# Allegro board LAY-38820_A.brd (continued)
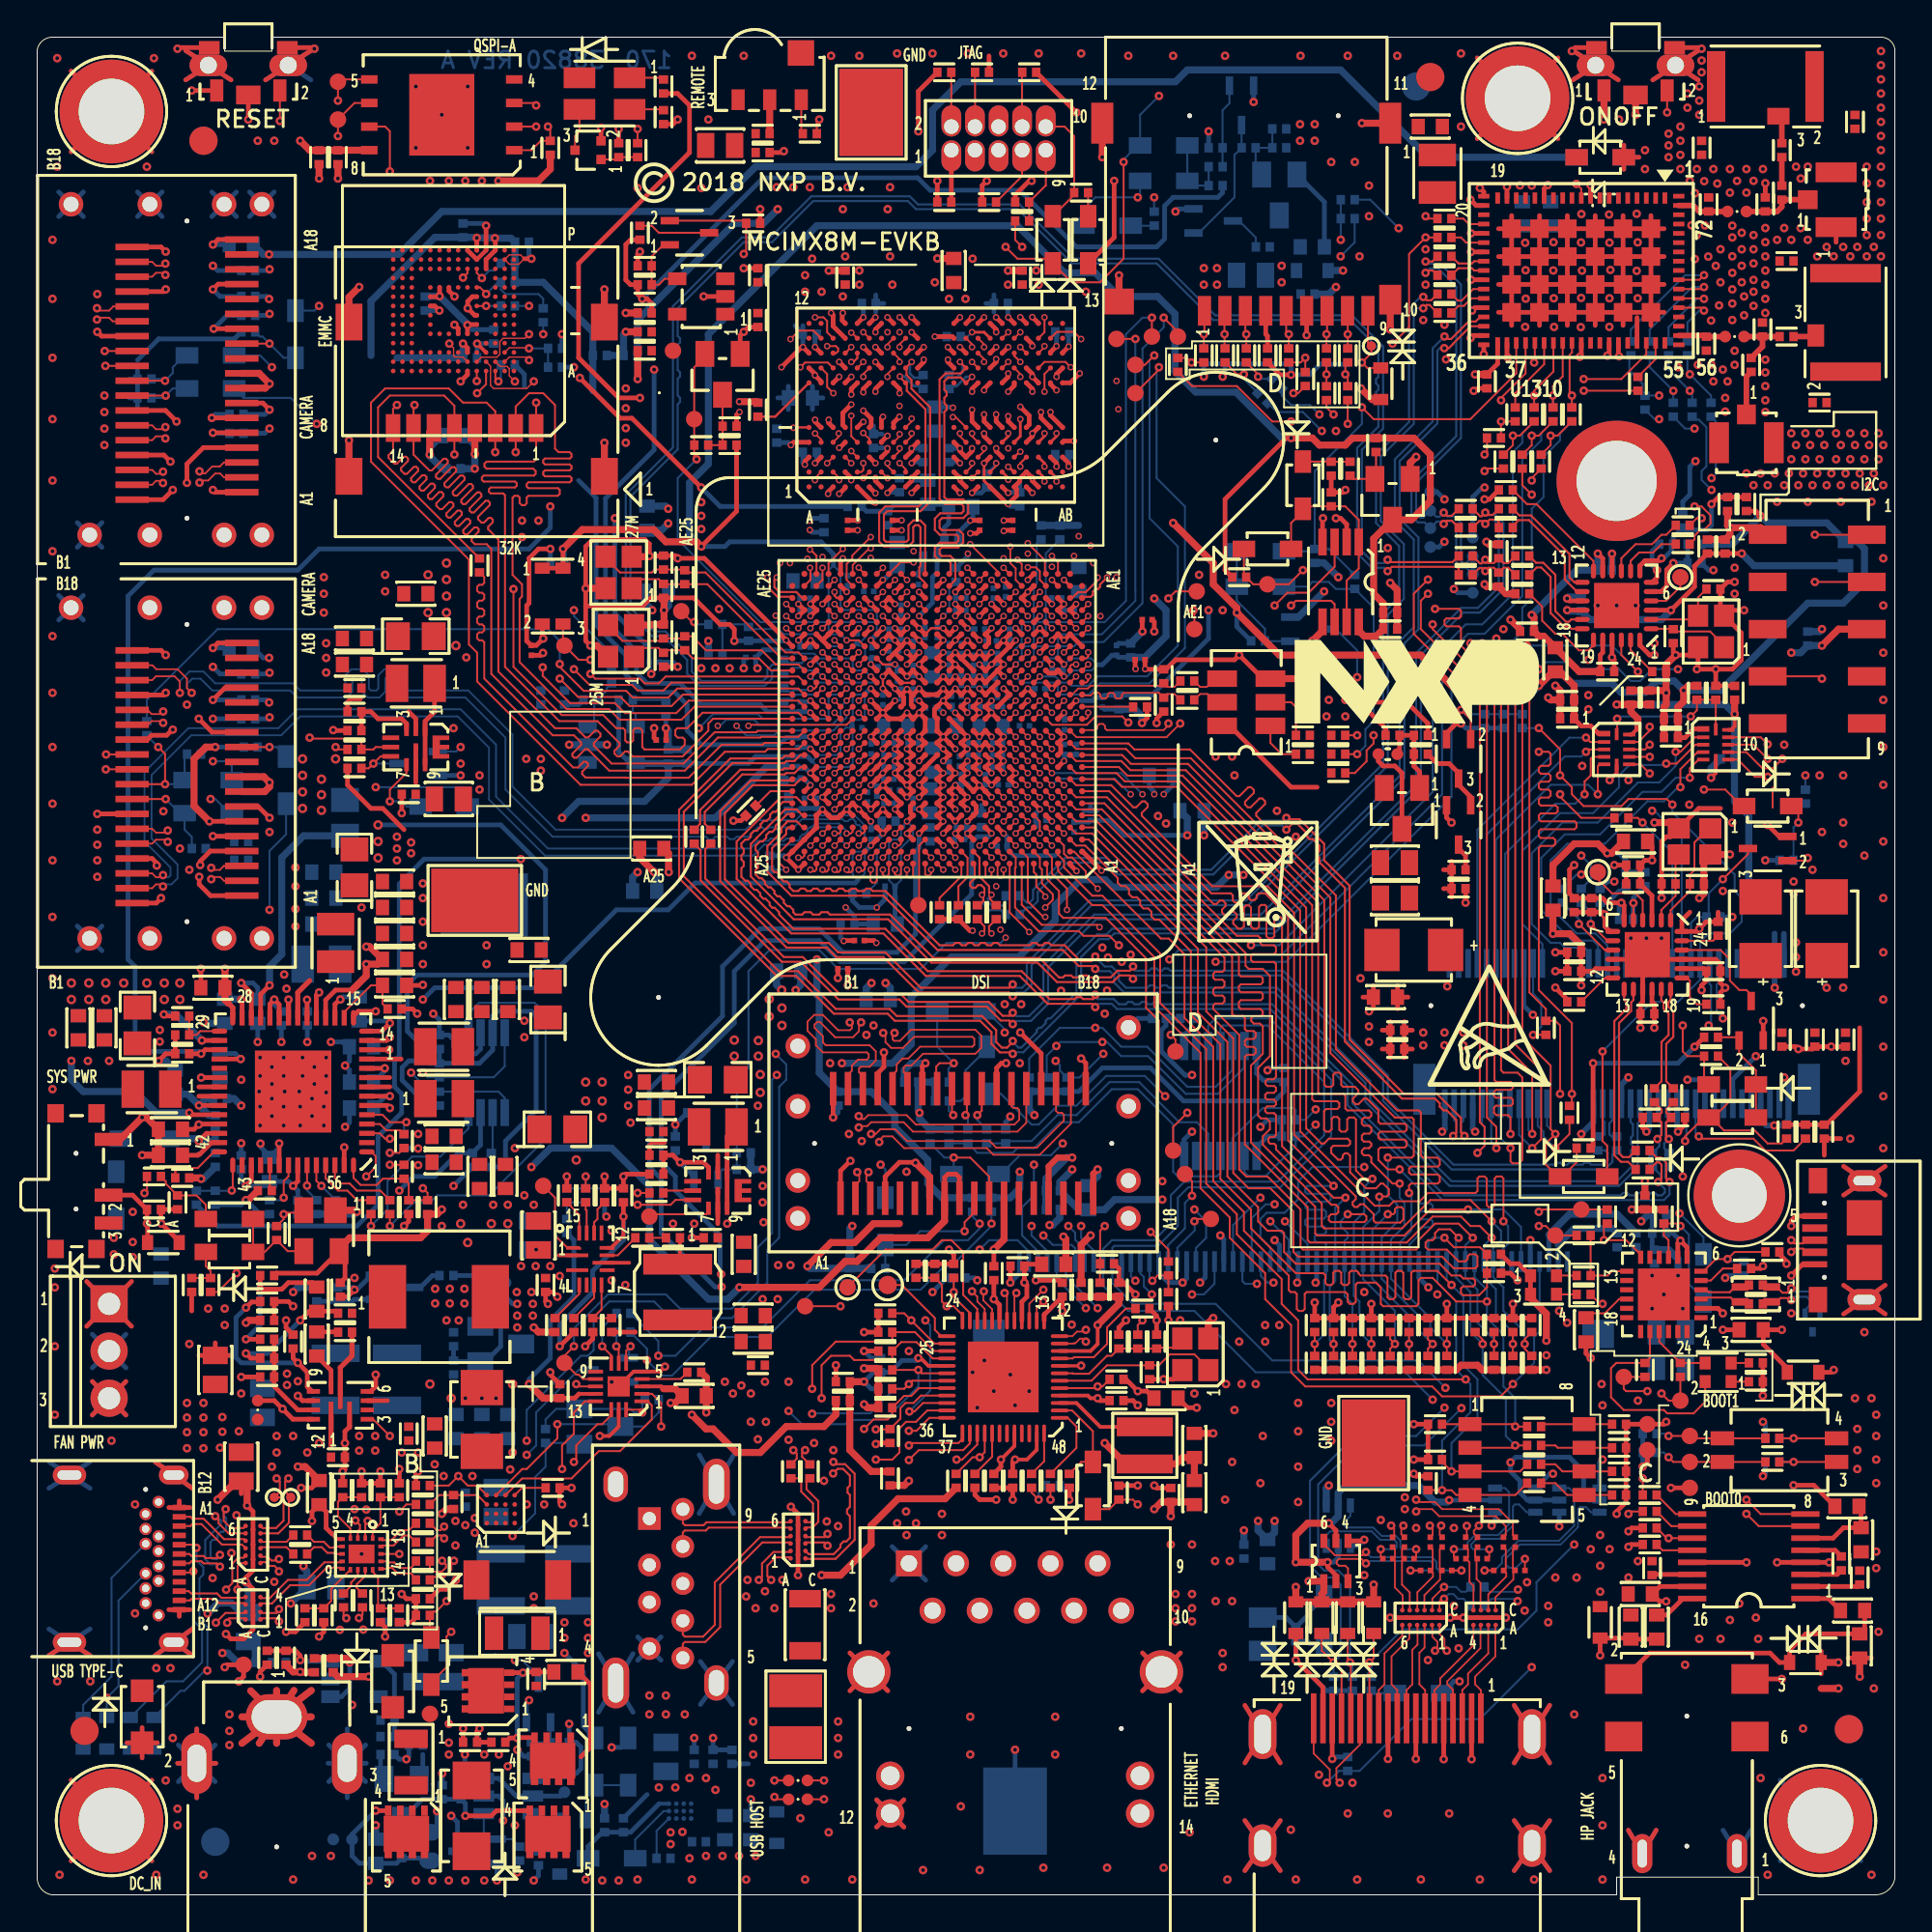
[diagram p0: board, top side]
## Routing (per net, layer and track width the routed paths; a pad name or vN(x,y) marks a point on that pad's centre or on a via; arc(x,y) is an arc through that point) (continued)
GND_CHASSIS: length 11.6
  TOP w0.254: 59.5,13.02 J1201.15 ; J1201.15 59.5,10.98 ; J1201.15 61.54,13.02 ; J1201.15 61.54,10.98 ; 43.75,10.98 J1201.16 ; J1201.16 43.75,13.02 ; J1201.16 45.79,13.02 ; J1201.16 45.79,10.98
VBUS_CP210X: length 10.6
  TOP w0.254: U1701.8 88.32,35.08 v1(88.45,35.22) 88.82,34.86 U1701.7 ; L1702.2 v1(90.74,30.42)
  L6_INT_2 w0.254: v1(88.45,35.22) 89.09,34.58 89.09,32.07 v1(90.74,30.42)
  BOTTOM w0.254: v1(88.45,35.22) 88.05,35.62 C1704.1 C1701.1
VBUS_USB_BDG: length 9.5
  TOP w0.254: TVS1701.2 94.21,28.34 92.91,29.64 L1702.1 v1(93.92,30.42) ; v1(94.42,33.34) 95.03,33.94 J1701.1
  L8_INT_3 w0.254: v1(94.42,33.34) 94.8,33.34 95.06,33.08 95.06,31.05 94.42,30.42 v1(93.92,30.42)
VCC: length 2.8
  TOP w0.254: J401.1 49.21,91.13 R405.2
VCC_3V6: length 10.1
  TOP w0.254: R706.1 11.98,31.91 11.54,31.91 v1(11.24,31.61) ; U701.9 14.79,27.1 14.54,27.36 14.54,28.13 v1(14.03,28.64) 13.78,28.89 C711.1
  BOTTOM w0.254: v1(11.24,31.61) 10.71,31.08 10.71,28.92 10.98,28.64 v1(14.03,28.64)
VCC_5V: length 12.4
  TOP w0.203: U706.11 30.9,34.83 31.56,35.49 v1(31.56,36.51)
  TOP w0.254: v1(31.56,36.51) C774.2 ; v1(28.13,29.53) 28.89,30.29 R732.1
  BOTTOM w0.254: v1(31.56,36.51) 31.56,35.24 29.91,33.59 29.91,32.45 28.13,30.67 v1(28.13,29.53)
VDD_12V: length 132.1
  TOP w0.254: J1501.A8 48.85,38.62 49.03,38.8 49.47,38.8 49.65,38.62 J1501.A9
  TOP w0.381: J1502.A8 12.27,81.1 v1(12.51,81.34) 11.95,81.91 J1502.A9 ; J1503.A8 12.25,59.39 12.51,59.64 v1(12.51,59.88) 12.2,60.19 J1503.A9 ; J1501.A8 48.85,36.27 47.94,35.37 45.4,35.37 44.13,34.1 43.5,34.1 42.1,32.7 v1(37.81,32.7)
  L8_INT_3 w0.381: 6.41,60.5 4,62.91 4,75.5 2.6,76.9 2.6,86.55 2.98,86.93 4.25,86.93 9.08,82.1 11.75,82.1 v1(12.51,81.34) ; 6.41,60.5 8.08,60.5 8.7,59.88 v1(12.51,59.88) ; 6.41,60.5 4.94,59.03 4.94,50.35 5.27,50.02 5.27,43.37 6.54,42.1 6.54,40.58 7.94,39.18 9.08,39.18 9.46,38.8 9.46,38.04 11.62,35.88 14.29,35.88 16.32,37.91 17.97,37.91 18.71,38.65 20.74,38.65 21.02,38.92 26.35,38.92 v1(26.61,39.18)
  BOTTOM w0.381: v1(26.61,39.18) 27.62,40.19 30.92,40.19 32.96,38.16 32.96,35.24 36.13,32.07 37.17,32.07 v1(37.81,32.7)
VDD_ARM_0V9: length 13.6
  TOP w0.254: v2(46.83,59.73) U101.H15 v2(46.83,60.38) U101.J15 v2(46.83,61.03) U101.K15 v2(46.83,61.68) U101.L15 v2(46.83,62.33) U101.M15 ; v2(46.83,59.73) U101.H16 v2(46.18,60.38) U101.J16 v2(46.18,61.03) U101.K16 v2(46.18,61.68) U101.L16 v2(46.18,62.33) U101.M16 ; v2(46.83,59.73) U101.G15 47.15,59.41 v2(46.83,59.08) U101.G16 ; v2(47.48,59.08) 47.8,59.41 U101.G14 v2(47.48,59.73) U101.H14 ; C121.1 45.05,51.37 v2(45.17,51.24) ; C122.1 v1(43.64,48.96)
  BOTTOM w0.381: C166.1 45.92,48.83 v1(45.67,49.08)
  vias: v3(37.53,46.01) v3(37.53,45.15) v3(38.82,45.99) v3(38.82,45.15) v3(38.92,44.16) v3(38.92,43.19)
VDD_DRAM_0V9: length 17.5
  TOP w0.254: U101.V11 v2(50.07,66.88) U101.V10 v2(50.72,66.88) U101.V9 v2(51.37,66.88) ; U101.V11 v2(49.42,66.88) U101.V12 v2(49.42,66.23) ; U101.V11 U101.U10 ; U101.V15 v2(46.83,66.23) ; U101.V15 v2(46.83,66.88) ; U101.V15 v2(47.48,66.88) ; v1(33.21,62.8) 33.21,62.28 C33.1 ; U101.Y10 v2(50.72,67.53) ; U101.Y6 52.68,68.18 v2(52.67,68.18) ; U101.U13 v2(48.77,66.23) U101.V13 v2(48.77,66.88) ; C138.1 27.1,66.73 v1(27.23,66.85) ; U101.Y8 v2(52.02,68.18) ; v2(59.13,65.99) 59.11,66.01 C137.1 ; U101.Y20 44.22,68.18 v2(44.23,68.18) ; v2(46.83,68.18) U101.Y16 v2(46.18,68.18) ; U101.U14 v2(47.48,66.23) U101.V14 ; C117.1 60.13,68.53 v1(60.13,68.01) ; U101.Y18 45.52,68.18 v2(45.53,68.18) ; U101.U11 v2(49.42,66.23) ; v2(49.42,66.23) U101.U12
  TOP w0.381: v1(34,55.05) 33.99,55.06 33.99,56.07 C17.1
  BOTTOM w0.381: C171.1 32.05,54.79 v1(32.32,55.05)
  vias: v3(4.66,49.08) v3(5.9,49.08) v3(6.84,49.08) v3(6.84,48.2) v3(7.68,49.08) v3(7.68,48.2)
VDD_GPU_0V9: length 8.1
  TOP w0.254: U101.L10 v2(50.72,61.68) U101.L9 v2(51.37,61.68) ; v2(51.37,62.33) U101.M9 v2(50.72,62.33) U101.M10 ; v2(50.72,60.38) U101.J10 v2(50.72,61.03) U101.K10 ; U101.K9 v2(51.37,61.03) U101.J9 v2(51.37,60.38)
  BOTTOM w0.254: C170.1 61.16,59.77 v2(60.64,59.24)
  BOTTOM w0.381: C169.1 v1(62.82,57.04)
  vias: v3(29.02,39.56) v3(29.53,43.75) v3(29.53,42.73) v3(30.42,43.75) v3(30.42,42.73) v3(30.42,41.85)
VDD_PHY_0V9: length 127.4
  TOP w0.254: U101.E18 v2(45.53,58.43) U101.E17 ; U101.F18 v2(44.88,58.43) U101.F19 ; U101.F22 v2(42.28,59.08) U101.G22 ; U101.C11 49.75,56.81 v2(49.42,57.13) 49.43,57.13 U101.D11 ; U101.E12 v2(49.42,57.78) U101.E11 ; U101.D12 v2(48.77,57.13) ; U101.U4 54.45,65.76 54.8,65.76 U101.U3 v2(55.27,65.58) ; U101.F17 v2(45.53,59.08) ; 16.95,48.7 16.06,48.7 15.53,48.17 U702.18 ; U101.C12 v2(49.42,56.48) ; U101.G23 41.95,59.41 v2(41.63,59.08) U101.F23 ; U101.V3 v2(55.27,66.23)
  TOP w0.381: v1(17.72,51.04) 17.9,51.04 C749.1 18.34,50.1 v1(17.72,50.1) 17.72,49.47 16.95,48.7
  L6_INT_2 w0.381: v1(17.72,50.1) v1(17.72,51.04) 18.1,51.42 18.1,53.78 16.7,55.18 16.7,59.63 15.3,61.02 15.3,62.93 17.08,64.71 18.99,64.71 25.97,71.69 28.38,71.69 29.53,72.83 29.53,79.82 34.99,85.28 34.99,86.3 37.65,88.96 50.48,88.96 51.37,88.07 55.56,88.07 57.47,86.17 57.47,82.87 59.37,80.96 64.83,80.96 66.23,79.56 66.23,75.88 v1(60.13,69.79)
  BOTTOM w0.102: v2(55.27,65.58) 55.45,65.58 55.77,65.91 56.76,65.91 57.07,66.22 56.73,66.56 55.64,66.56 55.31,66.23 v2(55.27,66.23)
  BOTTOM w0.254: 57.07,66.22 57.34,66.22 57.85,66.73 C185.1 58.21,66.62 C10.1 ; v2(55.27,66.23) 55.22,66.18 C186.1 55.22,65.64 v2(55.27,65.58) ; L101.2 C12.1 44,52.67 v2(43.52,53.15)
  BOTTOM w0.381: v1(60.13,69.79) 60.77,69.15 60.77,67.75 59.63,66.62 C10.1
VDD_PHY_1V8: length 283.4
  TOP w0.254: U101.D17 v2(45.53,57.13) U101.D18 ; Q1001.5 69.91,19.62 v1(69.53,20) ; v1(69.47,17.91) 69.47,17.65 69.91,17.21 Q1001.2 ; U702.26 11.53,48.54 v1(10.98,49.08) ; U101.C18 v2(44.88,56.48) ; U101.P2 v2(55.92,64.28)
  TOP w0.381: v1(69.53,20) 68.39,20 67.75,19.37 v1(67.75,17.91) v1(69.47,17.91)
  L6_INT_2 w0.381: v1(63.05,69.15) 63.05,70.42 66.92,74.28 66.92,81.55 65.34,83.12 61.78,83.12 61.28,82.61 61.28,82.1 60.77,81.6 59.63,81.6 58.1,83.12 58.1,86.42 54.93,89.6 36.89,89.6 33.46,86.17 33.46,84.9 28.76,80.2 28.76,74.48 26.66,72.38 21.07,72.38 20,71.31 20,68.52 13.52,62.04 13.52,56.45 13.27,56.2 13.27,51.12 12.44,50.29 11.68,50.29 10.98,49.59 v1(10.98,49.08) 10.25,49.08 8.27,47.1 8.27,44.21 7.56,43.5 7.56,38.16 8.32,37.4 8.32,34.23 9.71,32.83 11.24,32.83 11.62,33.21 14.16,33.21 19.24,28.13 26.73,28.13 27.37,27.49 28.13,27.49 28.76,26.86 30.87,26.86 33.13,24.6 37.25,24.6 38.42,23.43 39.81,23.43 41.85,21.4 48.96,21.4 50.35,20 57.59,20 60.27,17.33 67.18,17.33 v1(67.75,17.91) ; v1(76.01,21.25) 77.28,21.25 v1(79.31,23.28)
  L8_INT_3 w0.381: v1(10.98,49.08) 12.13,50.23 15.68,50.23 16.83,49.08 19.11,49.08 20,48.2 v1(20.76,48.2)
  BOTTOM w0.102: 44.55,56.16 44.07,56.16 43.9,55.99 43.9,54.91 44.19,54.62 44.55,54.98 44.55,56.16
  BOTTOM w0.254: Q1002.2 70.04,18.16 69.79,17.91 v1(69.47,17.91) ; Q1004.2 v1(76.01,21.25) ; Q1003.5 83.53,21.25 83.25,21.53 83.25,22.8 82.49,23.56 79.59,23.56 v1(79.31,23.28) 79.31,22.8 79.82,22.29 79.82,21.65 80.23,21.25 Q1004.5 Q1003.2 ; v1(63.05,69.15) 63.05,67.63 60.01,64.58 58.24,64.58 C9.1 57.45,64.57 C184.1 56.97,64.46 56.79,64.28 v2(55.92,64.28) ; v1(20.76,48.2) 21.4,48.83 26.99,48.83 31.18,53.02 33.97,53.02 35.42,54.47 44.04,54.47 44.19,54.62 ; C11.1 45.54,57.72 45.54,57.14 v2(45.53,57.13) 45.21,56.82 C187.1 44.89,56.5 v2(44.88,56.48) 44.55,56.16 ; C751.1 11.87,48.83 11.62,49.08 v1(10.98,49.08)
  BOTTOM w0.381: v1(76.01,21.25) 75.91,21.14 75.25,21.14 74.36,22.03 70.42,22.03 70.04,21.65 Q1002.5 70.04,20.38 69.66,20 v1(69.53,20)
VDD_PHY_3V3: length 107.5
  TOP w0.254: U101.H23 v2(41.63,60.38) U101.J23 ; C757.1 8.44,41.21 v1(8.7,41.46) 8.83,41.46 8.85,41.49 U702.39 ; v2(49.42,58.43) U101.F12 v2(49.43,59.08) U101.G12 v2(49.42,59.73) U101.G11 v2(50.08,59.08) U101.F11 v2(50.07,58.43)
  L6_INT_2 w0.381: v1(26.22,47.05) 26.22,54.67 v1(29.53,57.97)
  L8_INT_3 w0.381: v1(8.7,41.46) 9.71,42.48 9.71,45.66 11.49,47.43 16.7,47.43 17.59,48.32 18.6,48.32 20.13,46.8 22.92,46.8 23.18,47.05 v1(26.22,47.05) 28.51,44.77 32.32,44.77 35.24,41.85 39.05,41.85 39.81,42.61 39.81,43.12 40.45,43.75 42.66,43.75 43.32,44.41 v1(43.32,44.77)
  BOTTOM w0.254: 56.35,58.37 C8.1 ; C8.1 56.7,58.73 ; C8.1 57.06,58.37 ; 50.84,58.66 C4.1 50.38,58.22 ; 49.75,59.44 C178.1 ; C178.1 50.11,59.79 ; C178.1 49.48,59.79 v2(49.42,59.73) ; C6.1 40.98,60.76 C181.1 41.35,60.65 v2(41.63,60.38)
  BOTTOM w0.381: v1(29.53,57.97) 36.51,57.97 39.3,60.76 C6.1 ; v1(43.32,44.77) 46.04,44.77 47.05,45.78 47.05,48.32 49.21,50.48 52.84,50.48 54.8,52.44 54.8,53.28 56.17,54.65 57.49,54.65 57.9,54.24 63.49,54.24 v1(64.15,54.9) v1(64.93,54.9)
  vias: v1(60.34,58.08) v1(60.77,57.67)
VDD_SNVS_0V9: length 73.1
  TOP w0.254: U101.R18 v2(44.88,64.93)
  L6_INT_2 w0.254: v1(28.26,57.97) v1(26.03,55.75)
  BOTTOM w0.102: 44.55,64.58 44.52,64.61 44,64.61 43.9,64.5 43.9,63.25 44.3,63.25 44.55,63.5 44.55,64.58 ; 43.69,60.71 43.69,60.71 42.03,60.71 41.72,61.02 42.06,61.36 43.06,61.36 43.25,61.55 43.25,62.55 43.52,62.83 C102.1 43.9,62.79 43.9,60.9 43.71,60.71 43.69,60.71
  BOTTOM w0.254: C718.1 38.3,60.9 38.67,61.28 41.46,61.28 41.72,61.02 ; v2(44.88,64.93) 44.85,64.93 44.52,64.61 ; R758.2 31.31,61.52 31.88,60.96 U703.5 ; C102.1 43.87,63.21 43.9,63.25 ; v1(26.03,55.75) 20.83,55.75 19.49,54.42 19.49,45.15 19.24,44.89 19.24,43.5 19.62,43.12 19.62,42.1 18.35,40.83 18.35,37.15 17.21,36 9.71,36 8.57,37.15 R757.2
  BOTTOM w0.381: C717.1 33.97,60.13 32.7,58.86 29.15,58.86 v1(28.26,57.97) ; C717.1 32.28,60.9 U703.5 ; C717.1 C718.1
VDD_SOC_0V9: length 18
  TOP w0.254: U101.R10 v2(50.07,64.93) U101.R11 v2(49.42,64.93) U101.R12 ; 51.37,64.93 U101.R9 v2(50.72,64.93) ; 51.37,64.93 U101.R8 ; 51.37,64.93 U101.T8 ; U101.R15 v2(47.48,64.93) U101.R14 U101.R13 v2(48.77,64.93) U101.R12 ; U101.R15 47.12,64.61 v2(46.83,64.91) 46.53,64.61 U101.R16 ; U101.R15 47.05,64.51 47.05,64.06 U101.P15 ; v2(49.42,61.68) U101.L12 v2(48.77,62.33) ; U101.R16 v2(46.18,64.93) U101.T17 ; U101.R16 46.65,64.46 46.65,64.1 U101.P16 ; U101.M12 v2(48.77,62.33) ; v2(48.77,62.33) U101.M13 U101.N13 48.3,63.45 48.3,63.81 U101.P13 v2(48.77,64.28) ; v2(48.77,62.33) U101.L13 v2(48.77,61.68) U101.K12 v2(48.77,61.03) ; U101.R12 v2(48.77,64.28) ; v2(48.77,64.28) U101.P12
  BOTTOM w0.254: v2(48.77,63.63) 48.52,63.89 C145.1 ; v2(48.77,61.03) 48.83,60.98 C144.1
  BOTTOM w0.381: v1(33.11,69.15) 32.69,69.57 C173.1
  vias: v3(21.04,71.06) v3(21.04,69.02) v3(22.03,71.69) v3(22.03,70.8) v3(22.03,69.91) v3(22.03,69.02) v3(22.54,67.25)
VDD_VPU_0V9: length 5
  TOP w0.254: v2(51.38,64.28) U101.P9 v2(51.37,63.63) ; U101.N10 v2(50.72,63.63) U101.P10 v2(50.73,64.28) ; U101.N8 v2(51.37,63.63) ; v2(51.37,63.63) U101.N9
  BOTTOM w0.254: C15.1 49.48,62.39 v2(49.42,62.33)
  BOTTOM w0.381: v3(40.08,48.7) 39.8,48.98 C168.1
  vias: v3(39.41,48.22) v3(39.41,47.28) v3(40.09,47.74) v3(40.09,46.8)
VDDA_1V8: length 58.7
  TOP w0.127: U101.T15 47.14,65.25 46.51,65.25 U101.T16 ; v2(45.52,64.93) 45.53,64.93 v2(45.53,65.58)
  TOP w0.254: U101.N11 v2(49.42,63.63) ; U101.K14 47.8,61.36 v2(47.48,61.03) ; U101.R17 v2(45.52,64.93) ; U101.AA11 v2(50.08,68.18) ; U101.U23 v2(41.63,65.58) ; U101.W23 v2(41.62,67.53) U101.W24 ; v2(45.53,65.58) U101.U17 U101.T16 ; U101.W17 v2(45.53,66.88)
  TOP w0.279: 10.29,48.01 10.53,47.76 U702.28
  TOP w0.381: 10.29,48.01 10.11,48.18 C754.1 v1(10.11,49.85)
  L6_INT_2 w0.381: 8.7,48.95 8.7,48.36 7.56,47.22 7.56,44.39 6.79,43.62 6.79,37.27 7.43,36.64 7.43,34.23 9.44,32.22 11.47,32.22 11.75,31.94 12.76,31.94 13.27,32.45 v1(13.78,32.45)
  L8_INT_3 w0.254: v1(33.06,65.72) 33.69,65.09 40.58,65.09 41.07,65.58 v2(41.63,65.58)
  BOTTOM w0.102: v2(41.63,65.58) 41.95,65.26 45.23,65.26
  BOTTOM w0.254: v2(41.62,67.53) 41.6,67.51 C147.1 ; C150.1 45.61,66.97 v2(45.53,66.88) ; v2(49.42,63.63) 49.25,63.81 C151.1 ; C148.1 50.12,68.13 v2(50.08,68.18) ; v1(31.1,74.1) 31.1,68.97 32.94,67.13 C152.1 32.94,65.84 v1(33.06,65.72)
  BOTTOM w0.381: v1(13.78,32.45) 14.03,32.7 R715.1 ; v1(33.97,73.82) 33.6,73.45 C174.1
  vias: v1(26.1,73.98) v1(26.1,73.09) v1(26.99,73.98) v1(35.75,74.97) v1(35.75,74.23) v1(35.75,73.52)
ANT0: length 2.5
  TOP w0.305: R1348.1 90.86,83.88 L1302.1 89.79,83.94 U1301.57
ANT0_OUT: length 3.3
  TOP w0.305: L1303.1 92.88,83.88 R1306.1 ; L1303.1 92.87,83.88 R1348.2 ; L1303.1 92.87,83.34 R1302.1
ANT1: length 2.8
  TOP w0.305: U1301.71 89.15,90.94 89.46,90.62 L1304.1 89.99,90.61 R1349.1
ANT1_OUT: length 3.8
  TOP w0.305: J1302.1 95.31,91.26 R1304.1 93.92,90.87 93.66,90.61 93.03,90.61 L1305.1 93.02,90.61 R1349.2
AUD_NMUTE: length 85.3
  TOP w0.107: U1101.11 v1(87.82,19.2) 87.73,19.2 R1108.1 ; U101.N7 v2(52.67,63.63)
  L8_INT_3 w0.076: v2(52.67,63.63) 53.22,63.09 55.91,63.09 56.45,62.55 58.23,62.55 59.02,61.76 65.75,61.76 70.42,57.09 70.42,38.8 71.41,37.81 71.41,35.34 70.93,34.86 70.93,31.43 71.31,31.05 71.31,20.38 73.21,18.48 73.21,16.45 75.25,14.41 76.64,14.41 79.31,11.75 81.09,11.75 87.82,18.48 v1(87.82,19.2)
BOOT_MODE0: length 83.7
  TOP w0.107: U802.3 69.84,71.49 68.44,70.1 67.3,70.1 v1(66.61,69.4) ; R818.1 SW802.2 TP1710.1 88.07,23.3 v1(87.82,23.56) ; U101.W6 53.32,67.53 v2(53.33,67.53)
  L6_INT_2 w0.076: v2(53.33,67.53) 53.65,67.21 56.87,67.21 57.16,67.5 61.91,67.5 62.93,68.52 65.72,68.52 v1(66.61,69.4)
  L8_INT_3 w0.076: v1(87.82,23.56) 85.28,26.1 85.28,29.91 85.53,30.16 85.53,36 85.03,36.51 85.03,43.37 84.77,43.62 84.77,45.53 83.63,46.67 83.63,50.99 82.17,52.45 82.17,54.61 79.31,57.47 79.31,59.75 76.21,62.85 76.21,64.12 72.07,68.26 69.83,68.26 69.19,68.9 67.12,68.9 v1(66.61,69.4)
  BOTTOM w0.107: R846.1 87.57,23.81 v1(87.82,23.56)
BOOT_MODE1: length 81.9
  TOP w0.107: U101.V6 v2(53.32,66.88) ; v1(87.82,24.7) TP1711.1 89.09,24.57 SW802.1 R817.1 ; v1(67.5,69.4) 67.75,69.66 69.66,69.66 69.84,69.48 U802.6
  L6_INT_2 w0.076: v2(53.32,66.88) 53.65,66.56 57.04,66.56 57.54,67.07 62.55,67.07 63.49,68.01 66.1,68.01 v1(67.5,69.4)
  L8_INT_3 w0.076: v1(87.82,24.7) 87.31,24.7 85.66,26.35 85.66,29.65 85.89,29.88 85.89,36.16 85.41,36.64 85.41,43.62 85.15,43.88 85.15,45.66 84.26,46.54 84.26,52.26 83.12,53.4 83.12,54.29 79.82,57.59 79.82,59.88 77.41,62.29 77.41,64.45 76.77,65.09 75.75,65.09 72.2,68.64 70.04,68.64 69.28,69.4 v1(67.5,69.4)
  BOTTOM w0.107: v1(87.82,24.7) 87.69,24.83 R845.2
BT_DEV_WAKE: length 133.5
  TOP w0.089: v1(78.55,67.63) 78.93,67.25 79.44,67.25 80.33,66.36
  TOP w0.107: U1301.53 86.62,82.94 85.28,81.6 v1(83.25,81.6) ; U101.G21 v2(42.93,59.08) ; v1(81.98,43.12) 81.98,46.8 81.73,47.05 R1441.2 81.22,47.69 80.33,48.58 80.33,66.36
  L6_INT_2 w0.076: v1(83.25,81.6) 82.49,81.6 82.1,81.22 82.1,80.33 81.72,79.95 78.55,79.95 76.77,78.17 76.77,69.4 v1(78.55,67.63) ; v1(81.93,31.43) 80.45,31.43 77.53,34.35 71.94,34.35 66.1,40.19 61.78,40.19 61.15,40.83 59.16,40.83 58.27,41.72 56.2,41.72 55.43,40.96 52.51,40.96 50.74,39.18 48.2,39.18 47.43,38.42 46.42,38.42 45.91,38.92 45.91,41.34 44.13,43.12 42.99,43.12 41.85,44.26 40.58,44.26 40.19,44.64 39.71,44.64 39.31,45.05 39.31,46.16 38.54,46.93 38.54,55.18 41.13,57.77 42.79,57.77 43.25,58.24 43.25,58.76 v2(42.93,59.08)
  L8_INT_3 w0.076: v1(81.93,31.43) 81.93,32.4 82.87,33.34 82.87,38.29 82.23,38.92 82.23,42.86 v1(81.98,43.12)
BT_HOST_WAKE: length 161.9
  TOP w0.107: R1321.1 v1(83.25,80.97) ; U101.M20 v2(43.58,62.33)
  L6_INT_2 w0.076: v1(78.93,68.13) 77.28,69.79 77.28,77.53 78.04,78.29 78.42,78.29 79.69,79.56 82.23,79.56 83.25,80.59 v1(83.25,80.97) ; v1(86.17,26.61) 86.17,26.99 82.87,30.29 78.04,30.29 75.12,33.21 70.42,33.21 69.66,32.45 65.34,32.45 63.31,30.42 57.97,30.42 57.26,31.13 55.51,31.13 54.8,30.42 49.34,30.42 47.18,32.57 39.64,32.57 36.26,35.95 36.26,40.32 29.91,46.67 29.91,50.48 32.78,53.35 32.78,56.15 39.18,62.55 40.83,62.55 41.17,62.88 43.29,62.88 43.58,62.6 v2(43.58,62.33)
  L8_INT_3 w0.076: v1(78.93,68.13) 79.56,67.5 79.56,67.12 79.95,66.74 79.95,63.05 81.34,61.66 81.34,61.02 80.83,60.51 80.83,58.86 83.63,56.07 83.63,54.29 84.9,53.02 84.9,46.54 86.17,45.27 86.17,43.37 85.79,42.99 85.79,38.04 86.93,36.89 86.93,35.88 86.42,35.37 86.42,29.65 86.17,29.4 v1(86.17,26.61)
BT_REG_ON: length 67.8
  TOP w0.107: Q1405.2 95.17,55.67 v1(95.31,55.82) ; U1301.10 83.12,91.84 v1(82.86,92.1)
  L6_INT_2 w0.076: v1(73.29,89.72) 75,89.72 75.88,88.84 75.88,87.23 79.61,83.5 82.92,83.5 84.33,82.09 84.33,80.27 81.47,77.41 81.47,73.09 84.52,70.04 84.52,67.88 85.28,67.12 85.28,65.34 85.91,64.71 85.91,60.26 v1(85.66,60.01)
  L8_INT_3 w0.076: v1(82.86,92.1) 82.45,92.51 75.79,92.51 73.29,90.01 v1(73.29,89.72) ; v1(85.66,60.01) 86.42,59.24 86.68,59.24 89.09,56.83 94.3,56.83 v1(95.31,55.82)
  BOTTOM w0.107: R309.2 71.76,91.25 v1(73.29,89.72)
CC1: length 42.5
  TOP w0.107: U907.13 29.49,26.57 28.89,25.97 28.89,24.83 28.26,24.19 v1(28.26,22.92) ; J901.A5 8.4,18.85 v1(8.57,18.68)
  L8_INT_3 w0.076: v1(9.16,12.07) 9.16,11.97 9.39,11.75 10.35,11.75 10.86,12.25 13.14,12.25 13.83,11.57 16.9,11.57 17.84,12.51 20.1,12.51 21.14,13.56 21.14,14.01 27.75,20.62 27.75,22.41 v1(28.26,22.92)
  BOTTOM w0.107: TVS902.2 7.72,10.98 7.94,10.98 9.02,12.07 v1(9.16,12.07) 9.16,14.41 8.74,14.84 8.74,17.04 8.94,17.25 8.94,17.64 8.57,18.01 v1(8.57,18.68)
CC2: length 44.7
  TOP w0.107: v1(28.89,23.3) 29.02,23.43 29.02,24.19 30.16,25.34 30.42,25.34 30.9,25.82 U907.14
  L8_INT_3 w0.076: v1(3.75,10.6) 10.86,10.6 11.49,11.24 19.37,11.24 21.65,13.52 21.65,14.12 28.05,20.51 28.35,20.51 29.18,21.35 29.18,23.01 v1(28.89,23.3)
  BOTTOM w0.107: TVS903.2 v1(3.75,10.6) 4.38,11.24 4.38,15.84 J901.B5
CLK1_N: length 2.1
  TOP w0.114: v2(41.63,64.93) 41.84,64.93 41.95,65.05 U101.T23
  BOTTOM w0.107: 41.56,64.86 v2(41.63,64.93)
  BOTTOM w0.114: R413.1 40.37,64.78 40.67,64.78 40.75,64.86 41.55,64.86 41.56,64.86
CLK1_P: length 2.8
  TOP w0.114: U101.R23 v2(42.27,64.93)
  BOTTOM w0.102: 41.85,64.61 41.34,64.61
  BOTTOM w0.114: 41.85,64.61 U101.R23 v2(42.27,64.93) ; R413.2 40.37,64.38 40.63,64.38 40.86,64.61 41.34,64.61
CLK2_N: length 92.9
  TOP w0.107: U101.U22 v2(42.28,66.23)
  TOP w0.114: C1314.1 76.52,71.37 76.41,71.49 72.92,71.49 v1(72.7,71.26)
  BOTTOM w0.102: v2(42.28,66.23) 42.1,66.23 41.77,66.56 41.41,66.56
  BOTTOM w0.114: 41.41,66.56 41.16,66.31 40.37,66.31 R414.1 40.06,66.48 39.81,66.23 39.58,66.23 39.31,65.95 39.31,65.57 39.07,65.34 35.75,65.34 35.24,65.85 35.24,66.59 33.82,68.01 33.21,68.01 31.94,69.28 31.94,75.27 34.48,77.81 34.48,80.24 34.61,80.37 34.61,80.58 34.48,80.71 34.48,81.61 34.61,81.74 34.61,81.96 34.48,82.08 34.48,83.44 34.61,83.57 34.61,83.78 34.48,83.91 34.48,85.41 38.04,88.96 39.56,88.96 41.78,91.18 46.87,91.18 47.31,90.74 52.79,90.74 55.71,87.82 60.26,87.82 63.31,84.77 70.67,84.77 72.2,83.25 72.2,82.4 72.07,82.27 72.07,82.06 72.2,81.93 72.2,81.71 72.07,81.59 72.07,81.37 72.2,81.24 72.2,81.03 72.07,80.9 72.07,80.68 72.2,80.56 72.2,79.04 71.06,77.89 71.06,72.22 71.84,71.44 72.52,71.44 v1(72.7,71.26)
CLK2_P: length 92.9
  TOP w0.107: U101.T22 v2(42.28,65.58)
  TOP w0.114: C1313.1 76.19,71.74 72.82,71.74 v1(72.7,71.87)
  BOTTOM w0.102: v2(42.28,65.58) 41.95,65.91 41.41,65.91
  BOTTOM w0.114: 41.41,65.91 41.26,66.05 40.65,66.05 40.5,65.9 40.37,65.9 R414.2 40.09,65.73 39.84,65.98 39.69,65.98 39.56,65.85 39.56,65.47 39.18,65.09 35.64,65.09 34.99,65.74 34.99,66.48 33.72,67.75 33.1,67.75 31.69,69.17 31.69,75.37 34.23,77.91 34.23,85.51 37.93,89.22 39.45,89.22 41.67,91.43 46.97,91.43 47.41,90.99 52.89,90.99 55.82,88.07 60.37,88.07 63.41,85.03 70.78,85.03 72.45,83.35 72.45,78.93 71.31,77.79 71.31,72.33 71.95,71.69 72.52,71.69 v1(72.7,71.87)
CLKO2: length 85
  TOP w0.107: U101.J6 v2(53.32,60.38)
  L6_INT_2 w0.076: v1(9.33,58.99) 10.48,60.13 10.48,66.23 13.27,69.02 13.27,77.41 v1(15.05,79.18)
  L8_INT_3 w0.076: v2(53.32,60.38) 53.14,60.38 52.82,60.06 52.51,60.06 51.87,59.41 51.18,59.41 51.05,59.28 51.05,58.8 50.61,58.36 50.61,57.72 50.35,57.46 43.89,57.46 43.26,58.08 42.1,58.08 41.83,58.36 41.21,58.36 41.08,58.48 26.22,58.48 23.37,61.34 22.35,61.34 20.89,62.8 20.89,63.94 17.84,66.99 17.84,69.02 17.46,69.4 17.46,75.25 15.05,77.66 v1(15.05,79.18)
  BOTTOM w0.107: D1505.C 10.35,58.23 9.59,58.99 v1(9.33,58.99) ; D1502.C 11.11,80.58 13.65,80.58 v1(15.05,79.18)
CLKO_25MHZ: length 56.8
  TOP w0.107: U101.K7 v2(52.67,61.03) ; v1(59.5,30.92) 59.24,30.67 R1225.1
  L6_INT_2 w0.076: v1(64.45,60.26) 63.05,60.26 62.17,61.15 56.26,61.15 55.82,60.71 53,60.71 v2(52.67,61.03)
  L8_INT_3 w0.076: v1(64.45,60.26) 64.96,59.75 66.1,59.75 68.9,56.95 68.9,43.36 69.28,42.99 69.28,40.57 68.9,40.19 68.9,33.83 68.29,33.21 68.29,30.82 66.23,28.76 61.66,28.76 v1(59.5,30.92)
CSI2_I2C_SCL: length 48.3
  TOP w0.107: J1503.B11 v1(3.71,61.39)
  L6_INT_2 w0.076: v1(3.71,61.39) 4.79,60.31 4.79,50.71 5.45,50.05 5.45,47.71 v1(6.6,46.56)
  L8_INT_3 w0.076: v1(20.76,44.26) 20.26,44.77 19.87,44.77 19.11,44 18.6,44 17.84,43.24 17.84,40.07 16.83,39.05 10.51,39.05 9.42,40.14 8.5,40.14 7.56,41.08 7.56,45.61 v1(6.6,46.56)
  BOTTOM w0.107: v1(20.76,44.26) 21.01,44.01 R1527.2 24.58,44.01 25.17,44.6 U1502.4
CSI2_I2C_SDA: length 47
  TOP w0.107: J1503.B10 v1(3.7,60.59)
  L6_INT_2 w0.076: v1(6.6,45.93) 5.14,47.38 5.14,49.85 4.48,50.51 4.48,59.8 v1(3.7,60.59)
  L8_INT_3 w0.076: v1(6.6,45.93) 7.17,45.35 7.17,40.83 8.27,39.73 9.29,39.73 10.35,38.67 17.08,38.67 18.35,39.94 18.35,43.12 18.73,43.5 19.37,43.5 v1(20.13,44.26)
  BOTTOM w0.107: v1(20.13,44.26) 21.15,43.24 R1526.2 24.83,43.24 25.17,42.9 U1502.5
CSI_NRST: length 144.2
  TOP w0.107: U101.N5 v2(53.97,63.63)
  L6_INT_2 w0.076: v1(9.46,61.02) 8.19,61.02 5.02,64.2 5.02,76.39 5.78,77.15 5.78,78.8 7.68,80.71 11.11,80.71 v1(12.64,82.23) 15.81,85.41 15.81,88.84 21.53,94.55 42.73,94.55 46.04,97.85 55.94,97.85 63.56,90.23 69.79,90.23 73.38,86.64 73.38,83.16 72.83,82.61 72.83,79.31 70.93,77.41 70.93,70.8 64.83,64.71 56.94,64.71 56.2,63.96 54.3,63.96 v2(53.97,63.63)
  BOTTOM w0.107: D1507.C 10.48,60.77 10.22,61.02 v1(9.46,61.02) ; D1506.C 12,82.87 v1(12.64,82.23)
CSI_P1_CKN: length 60
  TOP w0.097: J1502.A2 10.05,76.3 9.85,76.51 9.58,76.51 9.21,76.14 8.86,76.14 v1(8.74,76.02)
  TOP w0.102: U101.A22 42.6,55.18 42.5,55.08 42.35,55.08 42.27,55.16 v2(42.27,55.18)
  L8_INT_3 w0.076: v2(42.27,55.18) 42.24,55.15 42.24,54.43 41.17,53.36 26.1,53.36 24.96,54.51 22.93,54.51 19.97,57.47 19.21,57.47 16.53,60.14 16.53,62.81 16.2,63.14 14.8,63.14 13.11,64.84 13.11,70.66 13,70.76 10.24,70.76 9.97,71.04 9.97,71.71 10.24,71.98 12.79,71.98 13.11,72.3 13.11,73.76 12.13,74.74 11.08,74.74 9.64,76.18 8.9,76.18 v1(8.74,76.02)
CSI_P1_CKP: length 60
  TOP w0.097: v1(8.74,76.63) 8.85,76.52 9.05,76.52 9.42,76.89 9.83,76.89 10.05,77.11 J1502.A3
  TOP w0.102: U101.B22 v2(42.28,55.83)
  L8_INT_3 w0.076: v1(8.74,76.63) 8.9,76.47 9.76,76.47 11.2,75.03 12.25,75.03 12.33,74.95 13.4,73.88 13.4,72.18 12.91,71.69 10.36,71.69 10.26,71.59 10.26,71.16 10.36,71.06 13.13,71.06 13.4,70.78 13.4,64.96 14.92,63.44 16.32,63.44 16.83,62.93 16.83,60.26 19.33,57.76 20.09,57.76 23.05,54.8 25.08,54.8 26.22,53.66 41.05,53.66 41.95,54.56 41.95,55.33 42.27,55.66 v2(42.27,55.83)
CSI_P1_DN0: length 60.1
  TOP w0.097: J1502.B2 5.11,75.9 6.19,75.9 6.4,76.11 6.66,76.11 v1(6.78,76)
  TOP w0.102: U101.A23 41.95,55.19 41.85,55.09 41.71,55.09 v2(41.62,55.18)
  L8_INT_3 w0.076: v1(6.78,76) 7,76.22 7.52,76.22 8.44,77.15 10.86,77.15 11.21,76.8 11.21,76.66 10.9,76.35 10.9,75.96 11.22,75.65 11.61,75.65 11.91,75.95 12.06,75.95 13.91,74.1 13.91,65.18 15.05,64.03 16.45,64.03 17.3,63.19 17.3,60.52 17.72,60.1 18.48,60.1 23.31,55.27 25.37,55.27 26.39,54.25 27.35,54.25 27.62,54.53 27.62,54.66 27.72,54.76 27.92,54.76 28.02,54.66 28.02,54.53 28.3,54.25 28.74,54.25 29.02,54.53 29.02,54.66 29.12,54.76 29.32,54.76 29.42,54.66 29.42,54.53 29.69,54.25 30.14,54.25 30.41,54.53 30.41,54.66 30.51,54.76 30.72,54.76 30.82,54.66 30.82,54.53 31.09,54.25 35.16,54.25 35.43,54.53 35.43,54.79 35.53,54.89 35.74,54.89 35.84,54.79 35.84,54.53 36.11,54.25 36.56,54.25 36.83,54.53 36.83,54.79 36.93,54.89 37.13,54.89 37.24,54.79 37.24,54.53 37.51,54.25 37.95,54.25 38.23,54.53 38.23,54.79 38.33,54.89 38.53,54.89 38.63,54.79 38.63,54.53 38.91,54.25 41.05,54.25 41.59,54.8 41.59,55.15 v2(41.62,55.18)
CSI_P1_DN1: length 59.9
  TOP w0.097: J1502.B5 6.19,78.3 6.4,78.51 6.79,78.51 v1(6.9,78.4)
  TOP w0.102: U101.C22 v2(42.28,56.48)
  L8_INT_3 w0.076: v2(42.28,56.48) 42.05,56.7 41.87,56.7 41.66,56.92 39.39,56.92 38.76,56.29 35.69,56.29 35.42,56.56 35.42,56.82 35.32,56.92 35.12,56.92 35.01,56.82 35.01,56.56 34.74,56.29 34.3,56.29 34.02,56.56 34.02,56.82 33.92,56.92 33.72,56.92 33.62,56.82 33.62,56.56 33.35,56.29 32.9,56.29 32.63,56.56 32.63,56.82 32.53,56.92 32.32,56.92 32.22,56.82 32.22,56.56 31.95,56.29 31.5,56.29 31.23,56.56 31.23,56.82 31.13,56.92 30.93,56.92 30.82,56.82 30.82,56.56 30.55,56.29 27.63,56.29 26.95,56.96 23.9,56.96 19.07,61.79 19.07,63.57 16.15,66.49 16.15,68.52 15.9,68.78 15.9,72.49 15.56,72.83 15.56,73.76 15.9,74.1 15.9,74.4 11.49,78.81 10.85,78.81 10.22,79.44 10.22,80.55 9.97,80.8 8.79,80.8 8.57,80.58 8.57,79.3 7.82,78.55 7.05,78.55 v1(6.9,78.4)
CSI_P1_DN2: length 62.9
  TOP w0.097: J1502.B13 4.07,84.7 3.87,84.9 3.32,84.9 v1(3.22,84.8)
  TOP w0.102: U101.B24 41.3,55.94 41.2,55.83 v2(40.97,55.83)
  L8_INT_3 w0.076: v2(40.97,55.83) 41.12,55.98 41.12,56.17 41.02,56.27 40.02,56.27 39.31,55.56 27.11,55.56 26.49,56.18 23.54,56.18 18.1,61.63 18.1,63.53 16.83,64.79 15.44,64.79 14.68,65.55 14.68,74.47 11.24,77.91 7.68,77.91 7.43,77.66 6.38,77.66 5.74,78.3 5.74,83.13 3.88,84.99 3.41,84.99 v1(3.22,84.8)